# Altium PCB RTM_SFP.PcbDoc (part 4 of 5) (continued)
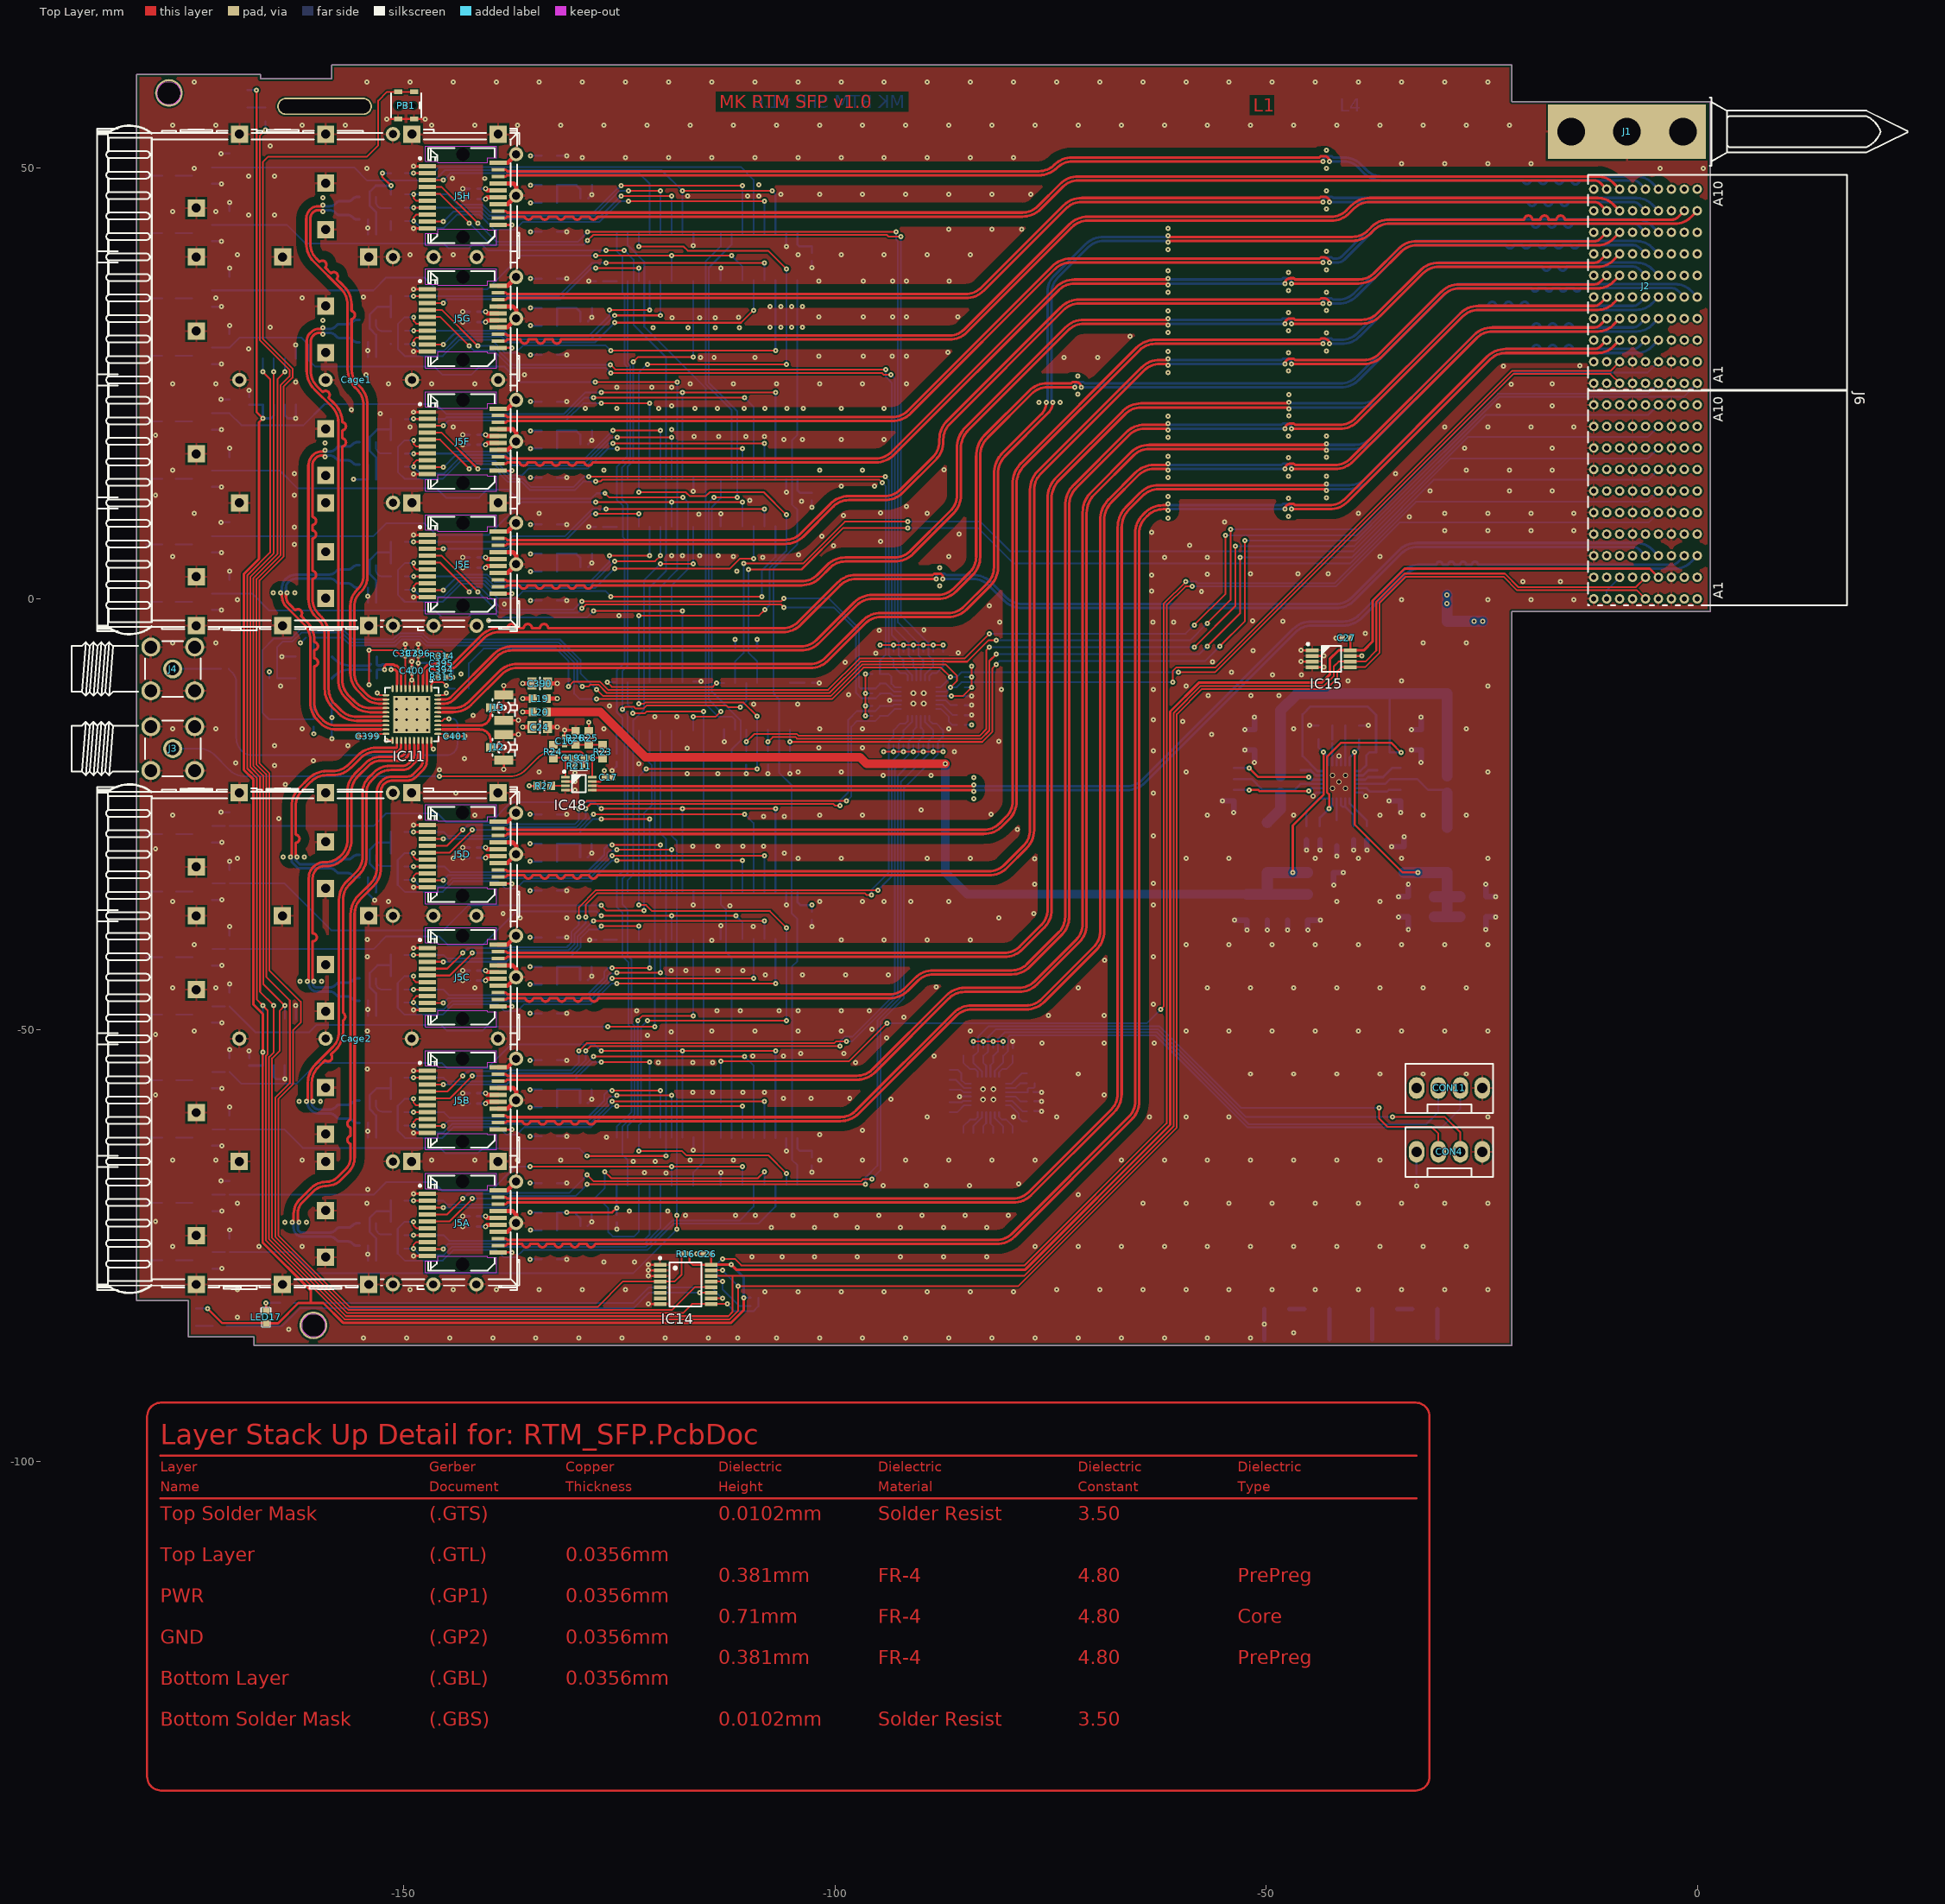
[diagram p0: Top Layer view]
## Nets (pads, with @x,y where several pads share a name; then routed paths per layer and width w, separated by ;. In a path a pad name is that pad's centre, name@x,y a point inside that pad or via, vN(x,y) a via of type N, cw(c..) or ccw(c..) an arc to the next point about the centre after c; other vN are vias at no path point) (continued)
  Bottom Layer w0.305: v1(-159.41,31.436) -159.262,31.289 -158.623,31.289 ccw(c-158.623,32.233) -157.955,31.565 -157.773,31.747 cw(c-157.501,31.475) -157.501,31.86 -156.486,31.86 ccw(c-156.486,32.526) -156.015,32.055 -155.908,32.162 ; -155.908,32.162 cw(c-155.43,31.684) -155.43,32.36 IC20G.4@-155.13,32.36
SFP_CLK2.CLOCK_P: IC11.14 IC20G.3 R105G.1 | length 55.5
  Top Layer w0.254: -152.631,-12.68 -152.611,-12.66 IC11.14@-152.08,-12.66
  Top Layer w0.305: v1(-159.41,30.684) -159.558,30.831 -159.849,30.831 ccw(c-159.849,29.939) -160.48,30.57 -160.52,30.53 ccw(c-159.793,29.805) -160.82,29.805 -160.82,26.439 ccw(c-158.28,26.439) -160.076,24.643 -159.642,24.208 -159.416,23.982 cw(c-159.084,23.65) -158.751,23.318 -158.087,22.653 -158.022,22.588 cw(c-160.119,20.491) -157.153,20.491 cw(c-157.193,20.021) -157.153,19.551 -157.153,18.611 cw(c-157.193,18.141) -157.153,17.671 -157.153,17.31 -157.153,-9.415 ccw(c-154.613,-9.415) -156.409,-11.211 -155.684,-11.936 ccw(c-153.888,-10.14) -153.888,-12.68 -152.631,-12.68
  Bottom Layer w0.305: v1(-159.41,30.684) -159.262,30.831 -158.618,30.831 cw(c-158.618,29.901) -157.96,30.559 -157.774,30.373 ccw(c-157.501,30.646) -157.501,30.26 -156.535,30.26 cw(c-156.535,29.475) -155.98,30.03 -155.901,29.951 ccw(c-155.44,30.412) -155.44,29.76 IC20G.3@-155.13,29.76
SFP_CLK3.CLOCK_N: IC11.17 IC20F.4 R105F.2 | length 42.9
  Top Layer w0.254: -152.631,-14.14 -152.611,-14.16 IC11.17@-152.08,-14.16
  Top Layer w0.305: v1(-159.14,17.236) -159.288,17.089 -159.57,17.089 ccw(c-159.57,15.742) -160.522,16.695 -160.607,16.61 ccw(c-159.47,15.474) -161.077,15.474 -161.077,0.002 ccw(c-158.097,0.002) -160.204,-2.106 -159.931,-2.379 cw(c-161.727,-4.175) -159.187,-4.175 -159.187,-10.448 ccw(c-156.207,-10.448) -158.314,-12.556 -157.598,-13.272 ccw(c-155.502,-11.176) -155.502,-14.14 -152.631,-14.14
  Bottom Layer w0.305: v1(-159.14,17.236) -158.992,17.089 -158.623,17.089 ccw(c-158.623,18.033) -157.955,17.365 ; -157.955,17.366 -157.773,17.547 cw(c-157.501,17.275) -157.501,17.66 -156.486,17.66 ccw(c-156.486,18.326) -156.015,17.855 -155.908,17.962 ; -155.908,17.962 cw(c-155.43,17.484) -155.43,18.16 IC20F.4@-155.13,18.16
SFP_CLK3.CLOCK_P: IC11.16 IC20F.3 R105F.1 | length 42.9
  Top Layer w0.254: -152.631,-13.68 -152.611,-13.66 IC11.16@-152.08,-13.66
  Top Layer w0.305: v1(-159.14,16.484) -159.288,16.631 -159.57,16.631 ccw(c-159.57,15.742) -160.199,16.371 -160.28,16.29 ccw(c-159.457,15.468) -160.62,15.468 -160.62,9.5 cw(c-160.66,9.03) -160.62,8.56 -160.62,7.94 cw(c-160.66,7.47) -160.62,7 -160.62,3.25 cw(c-160.66,2.78) -160.62,2.31 -160.62,0.009 ccw(c-158.08,0.009) -159.876,-1.787 -159.595,-2.069 cw(c-161.682,-4.156) -158.73,-4.156 -158.73,-10.441 ccw(c-156.19,-10.441) -157.986,-12.237 -157.287,-12.936 ccw(c-155.491,-11.14) -155.491,-13.68 -152.631,-13.68
  Bottom Layer w0.305: v1(-159.14,16.484) -158.992,16.631 -158.618,16.631 cw(c-158.618,15.701) -157.96,16.359 -157.774,16.173 ccw(c-157.501,16.446) -157.501,16.06 -156.535,16.06 cw(c-156.535,15.275) -155.98,15.83 -155.901,15.751 ccw(c-155.44,16.212) -155.44,15.56 IC20F.3@-155.13,15.56
SFP_CLK4.CLOCK_N: IC11.19 IC20E.4 R105E.2 | length 35.3
  Top Layer w0.254: -152.631,-15.14 -152.611,-15.16 IC11.19@-152.08,-15.16
  Top Layer w0.305: v1(-164.285,0.73) -164.137,0.582 -164.137,0.25 ccw(c-162.513,0.25) -163.661,-0.899 -161.601,-2.959 cw(c-163.397,-4.755) -160.857,-4.755 -160.857,-12.011 ccw(c-157.891,-12.011) -159.988,-14.108 -159.701,-14.396 ccw(c-157.904,-12.6) -158.024,-15.137 ; -158.024,-15.14 -152.631,-15.14
  Bottom Layer w0.305: v1(-164.285,0.73) -164.137,0.878 -164.137,1.36 cw(c-162.923,1.36) -163.782,2.218 -163.724,2.276 cw(c-162.39,0.942) -162.39,2.829 -158.623,2.829 ccw(c-158.623,3.773) -157.955,3.105 -157.773,3.287 cw(c-157.501,3.015) -157.501,3.4 R105E.2@-157,3.4 -156.486,3.4 ccw(c-156.486,4.066) -156.015,3.595 -155.908,3.702 cw(c-155.43,3.224) -155.43,3.9 IC20E.4@-155.13,3.9
SFP_CLK4.CLOCK_P: IC11.18 IC20E.3 R105E.1 | length 35.3
  Top Layer w0.254: -152.631,-14.68 -152.611,-14.66 IC11.18@-152.08,-14.66
  Top Layer w0.305: v1(-163.532,0.73) -163.68,0.582 -163.68,0.25 ccw(c-162.513,0.25) -163.338,-0.575 -163.087,-0.827 -162.602,-1.312 cw(c-162.297,-1.672) -161.937,-1.976 -161.273,-2.641 cw(c-163.379,-4.747) -160.4,-4.747 -160.4,-5.01 cw(c-160.44,-5.48) -160.4,-5.95 -160.4,-6.89 cw(c-160.44,-7.36) -160.4,-7.829 -160.4,-11.998 ccw(c-157.86,-11.998) -159.656,-13.794 -159.381,-14.069 ccw(c-157.906,-12.593) -157.906,-14.68 -152.631,-14.68
  Bottom Layer w0.305: v1(-163.532,0.73) -163.68,0.878 -163.68,1.29 cw(c-162.754,1.29) -163.409,1.944 ; -163.407,1.946 cw(c-162.378,0.914) -162.378,2.371 -158.618,2.371 cw(c-158.618,1.441) -157.96,2.099 -157.774,1.913 ccw(c-157.501,2.186) -157.501,1.8 R105E.1@-157,1.8 -156.535,1.8 cw(c-156.535,1.015) -155.98,1.57 -155.901,1.491 ccw(c-155.44,1.952) -155.44,1.3 IC20E.3@-155.13,1.3
SFP_CLK5.CLOCK_N: IC11.23 IC20D.4 R105D.2 | length 31.1
  Top Layer w0.254: -150.351,-16.962 -150.33,-16.941 IC11.23@-150.33,-16.41
  Top Layer w0.305: v1(-162.402,-29.92) -162.55,-29.772 -162.55,-29.23 -162.55,-28.29 ccw(c-162.59,-27.82) -162.55,-27.35 -162.55,-24.019 cw(c-160.01,-24.019) -161.806,-22.223 -160.764,-21.181 cw(c-158.968,-22.977) -158.968,-20.437 -158.238,-20.437 ccw(c-158.238,-17.441) -156.12,-19.56 -155.031,-18.471 cw(c-153.235,-20.267) -153.235,-17.727 -150.908,-17.727 ccw(c-150.908,-17.169) -150.35,-17.169 -150.35,-16.963 ; -150.351,-17.15 -150.351,-16.962
  Bottom Layer w0.305: v1(-162.402,-29.92) -162.55,-30.068 -162.55,-30.32 -162.099,-30.771 -158.623,-30.771 ccw(c-158.623,-29.827) -157.955,-30.495 ; -157.955,-30.494 -157.773,-30.313 cw(c-157.501,-30.585) -157.501,-30.2 -156.486,-30.2 ccw(c-156.486,-29.534) -156.015,-30.005 -155.908,-29.898 ; -155.908,-29.898 cw(c-155.43,-30.376) -155.43,-29.7 IC20D.4@-155.13,-29.7
SFP_CLK5.CLOCK_P: IC11.22 IC20D.3 R105D.1 | length 31.1
  Top Layer w0.254: -150.83,-17.18 IC11.22@-150.83,-16.41
  Top Layer w0.305: v1(-163.155,-29.92) -163.007,-29.772 -163.007,-23.984 cw(c-160.094,-23.984) -162.154,-21.925 -161.075,-20.846 cw(c-158.985,-22.937) -158.985,-19.98 -158.239,-19.98 ccw(c-158.239,-17.44) -156.443,-19.236 -155.345,-18.138 cw(c-153.249,-20.233) -153.249,-17.27 -150.92,-17.27 ccw(c-150.92,-17.18) -150.83,-17.18
  Bottom Layer w0.305: v1(-163.155,-29.92) -163.007,-30.068 -163.007,-30.509 -162.288,-31.229 -158.618,-31.229 cw(c-158.618,-32.159) -157.96,-31.501 -157.774,-31.687 ccw(c-157.501,-31.414) -157.501,-31.8 -156.535,-31.8 cw(c-156.535,-32.585) -155.98,-32.03 -155.901,-32.109 ccw(c-155.44,-31.648) -155.44,-32.3 IC20D.3@-155.13,-32.3
SFP_CLK6.CLOCK_N: IC11.25 IC20C.4 R105C.2 | length 42
  Top Layer w0.254: -149.351,-16.962 -149.33,-16.941 IC11.25@-149.33,-16.41
  Top Layer w0.305: v1(-160.432,-44.34) -160.58,-44.192 -160.58,-40.66 -160.58,-39.72 ccw(c-160.58,-39.25) -160.58,-38.78 -160.58,-38.7 -160.58,-32.381 cw(c-159.146,-32.381) -160.16,-31.367 ; -160.159,-31.366 cw(c-159.267,-32.26) -159.267,-30.997 -158.943,-30.997 ccw(c-158.943,-28.457) -157.147,-30.253 -156.957,-30.064 ccw(c-159.026,-27.994) -156.1,-27.994 -156.1,-22.402 cw(c-153.56,-22.402) -155.356,-20.606 -154.095,-19.345 cw(c-152.7,-20.74) -152.7,-18.767 -150.566,-18.767 ccw(c-150.566,-17.552) -149.351,-17.552 -149.351,-16.962
  Bottom Layer w0.305: v1(-160.432,-44.34) -160.58,-44.488 -160.58,-44.568 ccw(c-160.068,-44.568) -160.43,-44.93 ; -160.43,-44.93 ccw(c-160.089,-44.589) -160.089,-45.071 -158.623,-45.071 ccw(c-158.623,-44.127) -157.955,-44.795 -157.773,-44.613 cw(c-157.501,-44.885) -157.501,-44.5 -156.486,-44.5 ccw(c-156.486,-43.834) -156.015,-44.305 -155.908,-44.198 ; -155.908,-44.198 cw(c-155.43,-44.676) -155.43,-44 IC20C.4@-155.13,-44
SFP_CLK6.CLOCK_P: IC11.24 IC20C.3 R105C.1 | length 42.1
  Top Layer w0.254: IC11.24@-149.83,-16.41 -149.83,-16.941 -149.809,-16.962
  Top Layer w0.305: v1(-161.185,-44.34) -161.037,-44.192 -161.037,-32.379 cw(c-159.151,-32.379) -160.486,-31.046 ; -160.481,-31.042 cw(c-159.27,-32.253) -159.27,-30.54 -159.112,-30.54 ccw(c-159.112,-28.048) -157.351,-29.811 ; -157.301,-29.761 ccw(c-159.097,-27.965) -156.557,-27.965 -156.557,-22.364 cw(c-153.652,-22.364) -155.706,-20.31 -154.418,-19.022 cw(c-152.7,-20.74) -152.7,-18.31 -150.582,-18.31 ccw(c-150.582,-17.536) -149.809,-17.536 -149.809,-16.962
  Bottom Layer w0.305: v1(-161.185,-44.34) -161.037,-44.488 -161.037,-44.568 ccw(c-160.068,-44.568) -160.754,-45.253 ; -160.753,-45.254 ccw(c-160.089,-44.589) -160.089,-45.529 -158.618,-45.529 cw(c-158.618,-46.459) -157.96,-45.801 -157.774,-45.987 ccw(c-157.501,-45.714) -157.501,-46.1 -156.535,-46.1 cw(c-156.535,-46.885) -155.98,-46.33 -155.901,-46.409 ccw(c-155.44,-45.948) -155.44,-46.6 IC20C.3@-155.13,-46.6
SFP_CLK7.CLOCK_N: IC11.27 IC20B.4 R105B.2 | length 55.3
  Top Layer w0.254: -148.351,-16.962 -148.33,-16.941 IC11.27@-148.33,-16.41
  Top Layer w0.305: v1(-160.535,-58.29) -160.683,-58.142 -160.683,-56.1 cw(c-158.153,-56.1) -159.942,-54.311 -159.795,-54.165 -159.131,-53.5 ccw(c-158.799,-53.168) -158.466,-52.836 -158.26,-52.63 -157.931,-52.3 ccw(c-160.009,-50.222) -157.07,-50.222 -157.07,-49.85 -157.07,-48.91 ccw(c-157.378,-48.44) -157.07,-47.97 -157.07,-47.61 -157.07,-34.902 cw(c-154.53,-34.902) -156.326,-33.106 -155.186,-31.966 ccw(c-157.23,-29.923) -154.34,-29.923 -154.34,-22.5 cw(c-152.24,-22.5) -153.726,-21.016 -153.279,-20.569 cw(c-151.511,-22.339) -151.511,-19.837 -150.15,-19.837 ccw(c-150.15,-18.406) -149.138,-19.418 -148.699,-18.979 ccw(c-149.538,-18.14) -148.351,-18.14 -148.351,-16.962
  Bottom Layer w0.305: v1(-160.535,-58.29) -160.683,-58.438 -160.68,-58.44 -160.68,-58.59 ccw(c-160.359,-58.59) -160.586,-58.817 -160.451,-58.952 ccw(c-159.8,-58.3) -159.8,-59.221 -158.623,-59.221 ccw(c-158.623,-58.277) -157.955,-58.945 -157.773,-58.763 cw(c-157.501,-59.035) -157.501,-58.65 -156.486,-58.65 ccw(c-156.486,-57.984) -156.015,-58.455 -155.908,-58.348 cw(c-155.43,-58.826) -155.43,-58.15 IC20B.4@-155.13,-58.15
SFP_CLK7.CLOCK_P: IC11.26 IC20B.3 R105B.1 | length 55.3
  Top Layer w0.254: IC11.26@-148.83,-16.41 -148.83,-16.941 -148.809,-16.962
  Top Layer w0.305: v1(-161.288,-58.29) -161.14,-58.142 -161.14,-56.083 cw(c-158.195,-56.083) -160.277,-54 -158.271,-51.994 ccw(c-160.067,-50.198) -157.527,-50.198 -157.527,-34.88 cw(c-154.584,-34.88) -156.665,-32.799 -155.541,-31.675 ccw(c-157.337,-29.879) -154.797,-29.879 -154.797,-22.416 cw(c-152.442,-22.416) -154.107,-20.751 -153.481,-20.124 cw(c-151.684,-21.92) -151.684,-19.38 -150.155,-19.38 ccw(c-150.155,-18.394) -149.458,-19.091 -149.043,-18.677 ccw(c-149.61,-18.11) -148.809,-18.11 -148.809,-16.962
  Bottom Layer w0.305: v1(-161.288,-58.29) -161.14,-58.438 -161.14,-58.61 ; IC20B.3@-155.13,-60.75 -155.44,-60.75 cw(c-155.44,-60.098) -155.901,-60.559 -155.98,-60.48 ccw(c-156.535,-61.035) -156.535,-60.25 -157.501,-60.25 cw(c-157.501,-59.864) -157.774,-60.137 -157.96,-59.951 ccw(c-158.618,-60.609) -158.618,-59.679 -159.814,-59.679 cw(c-159.814,-58.334) -160.765,-59.285 -160.928,-59.121 cw(c-160.417,-58.61) -161.14,-58.612 ; -161.14,-58.612 cw(c-160.417,-58.61) -161.14,-58.61 ; -161.14,-58.612 -161.14,-58.61
SFP_CLK8.CLOCK_N: IC11.29 IC20A.4 R105A.2 | length 74
  Top Layer w0.254: -147.351,-16.962 -147.33,-16.941 IC11.29@-147.33,-16.41
  Top Layer w0.305: v1(-162.179,-72.3) -162.327,-72.152 -162.327,-71.301 cw(c-160.449,-71.301) -161.777,-69.974 ; -161.777,-69.973 -160.485,-68.681 cw(c-158.981,-70.185) -158.981,-68.059 ccw(c-158.981,-65.667) -157.29,-67.358 ; -157.411,-67.479 -156.464,-66.532 ; -157.29,-67.358 -156.462,-66.531 ccw(c-158.26,-64.736) -155.72,-64.736 -155.72,-36.542 cw(c-153.18,-36.542) -154.976,-34.746 -153.539,-33.309 ccw(c-155.613,-31.235) -152.68,-31.235 -152.68,-22.411 cw(c-151.327,-22.411) -152.284,-21.454 ; -152.283,-21.453 cw(c-151.327,-22.411) -151.327,-21.057 -149.582,-21.057 ccw(c-149.582,-19.655) -148.59,-20.647 -147.777,-19.833 ccw(c-148.803,-18.807) -147.351,-18.807 -147.351,-16.962
  Bottom Layer w0.305: v1(-162.179,-72.3) -162.327,-72.448 -162.327,-72.948 ccw(c-161.792,-72.948) -162.17,-73.326 ; -162.17,-73.327 ccw(c-161.818,-72.974) -161.818,-73.473 -158.623,-73.473 ccw(c-158.623,-72.528) -157.955,-73.196 ; -157.955,-73.196 -157.773,-73.014 cw(c-157.501,-73.286) -157.501,-72.901 -156.486,-72.901 ccw(c-156.486,-72.236) -156.015,-72.706 -155.908,-72.599 ; -155.908,-72.599 cw(c-155.43,-73.077) -155.43,-72.401 IC20A.4@-155.13,-72.401
SFP_CLK8.CLOCK_P: IC11.28 IC20A.3 R105A.1 | length 74
  Top Layer w0.254: IC11.28@-147.83,-16.41 -147.83,-16.941 -147.809,-16.962
  Top Layer w0.305: v1(-162.932,-72.3) -162.784,-72.152 -162.784,-71.283 cw(c-160.491,-71.283) -162.112,-69.662 -160.794,-68.344 cw(c-158.998,-70.14) -158.998,-67.6 ccw(c-158.998,-65.819) -157.738,-67.078 -156.727,-66.067 ccw(c-158.055,-64.739) -156.177,-64.739 -156.177,-63.2 cw(c-156.078,-62.73) -156.177,-62.26 -156.177,-61.32 cw(c-156.078,-60.851) -156.177,-60.381 -156.177,-59.441 -156.177,-59.28 -156.177,-36.531 cw(c-153.208,-36.531) -155.307,-34.431 -153.881,-33.005 ccw(c-155.677,-31.209) -153.137,-31.209 -153.137,-22.402 cw(c-151.348,-22.402) -152.614,-21.138 ; -152.597,-21.121 cw(c-151.34,-22.378) -151.34,-20.6 -149.593,-20.6 ccw(c-149.593,-19.627) -148.905,-20.315 -148.112,-19.522 ccw(c-148.843,-18.79) -147.809,-18.79 -147.809,-16.962
  Bottom Layer w0.305: v1(-162.932,-72.3) -162.784,-72.448 -162.784,-72.95 ccw(c-161.796,-72.95) -162.495,-73.648 ; -162.488,-73.656 ccw(c-161.826,-72.994) -161.826,-73.93 -158.618,-73.93 cw(c-158.618,-74.86) -157.96,-74.202 -157.774,-74.388 ccw(c-157.501,-74.116) -157.501,-74.501 -156.535,-74.501 cw(c-156.535,-75.287) -155.98,-74.731 -155.901,-74.81 ccw(c-155.44,-74.349) -155.44,-75.001 IC20A.3@-155.13,-75.001
SFP_DETECTN1: IC2.11 J5H.6 R403H.1 | length 49.1
  Top Layer w0.203: v1(-148.863,46.9) -148.863,46.448 -148.571,46.156 J5H.6@-147.275,46.156 ; v1(-124.81,47.9) v1(-110.72,47.9)
  Bottom Layer w0.203: R403H.1@-149.9,46.9 v1(-148.863,46.9) -144.9,46.9 -143.705,45.705 -140.875,45.705 -139.96,44.79 -128.033,44.79 -125.187,47.637 -125.073,47.637 v1(-124.81,47.9) ; IC2.11@-110.72,42.336 v1(-110.72,47.9)
SFP_DETECTN2: IC2.3 J5G.6 R403G.1 | length 61.5
  Top Layer w0.203: v1(-148.863,32.65) -148.863,32.198 -148.571,31.906 J5G.6@-147.275,31.906 ; v1(-125.99,28.77) v1(-106.91,28.77)
  Bottom Layer w0.203: v1(-148.863,32.65) R403G.1@-149.9,32.65 -150.7,31.85 -150.7,28.96 -149.893,28.153 -145.491,28.153 -143.61,30.033 -139.791,30.033 -138.31,28.553 -137.047,28.553 -136.216,29.384 -126.604,29.384 v1(-125.99,28.77) ; v1(-106.91,28.77) IC2.3@-106.91,36.936
SFP_DETECTN3: IC5.11 J5F.6 R403F.1 | length 54
  Top Layer w0.203: v1(-148.863,18.4) -148.863,17.948 -148.571,17.656 J5F.6@-147.275,17.656 ; v1(-125.25,17.43) v1(-110.72,17.43)
  Bottom Layer w0.203: v1(-148.863,18.4) R403F.1@-149.9,18.4 -150.7,17.6 -150.7,14.71 -149.893,13.903 -145.491,13.903 -143.404,15.99 -139.384,15.99 -137.697,14.303 -136.322,14.303 -135.491,15.134 -128.648,15.134 -126.352,17.43 v1(-125.25,17.43) ; IC5.11@-110.72,13.836 v1(-110.72,17.43)
SFP_DETECTN4: IC5.3 J5E.6 R403E.1 | length 60.8
  Top Layer w0.203: v1(-148.863,4.15) -148.863,3.698 -148.571,3.406 J5E.6@-147.275,3.406 ; v1(-125.99,0.27) v1@-108.49,0.27 ; v1@-108.5,0.27 v1(-108.49,0.26)
  Bottom Layer w0.203: v1(-148.863,4.15) R403E.1@-149.9,4.15 -150.7,3.35 -150.7,0.46 -149.893,-0.347 -145.491,-0.347 -143.394,1.75 -140.779,1.75 -139.081,0.053 -137.042,0.053 -136.21,0.884 -126.604,0.884 v1(-125.99,0.27) ; v1(-108.49,0.26) -108.49,3.29 -106.91,4.87 IC5.3@-106.91,8.436
SFP_DETECTN5: IC7.11 J5D.6 R403D.1 | length 53.5
  Top Layer w0.203: v1(-148.877,-29.48) -148.877,-29.932 -148.585,-30.224 J5D.6@-147.29,-30.224 ; v1(-125.33,-30.33) v1(-110.72,-30.33)
  Bottom Layer w0.203: v1(-148.877,-29.48) -149.914,-29.48 -150.714,-30.28 -150.714,-33.17 -149.907,-33.978 -145.505,-33.978 -144.274,-32.746 -139.064,-32.746 -138.232,-33.578 -136.972,-33.578 -136.14,-32.746 -128.316,-32.746 -125.9,-30.33 v1(-125.33,-30.33) ; IC7.11@-110.72,-34.044 v1(-110.72,-30.33)
SFP_DETECTN6: IC7.3 J5C.6 R403C.1 | length 58.7
  Top Layer w0.203: v1(-148.877,-43.73) -148.877,-44.182 -148.585,-44.474 J5C.6@-147.29,-44.474 ; v1(-125.33,-44.58) v1(-106.91,-44.58)
  Bottom Layer w0.203: v1(-148.877,-43.73) -149.914,-43.73 -150.714,-44.53 -150.714,-47.42 -149.907,-48.228 -145.505,-48.228 -144.274,-46.996 -139.124,-46.996 -138.292,-47.828 -136.862,-47.828 -136.03,-46.996 -128.316,-46.996 -125.9,-44.58 v1(-125.33,-44.58) ; v1(-106.91,-44.58) IC7.3@-106.91,-39.444
SFP_DETECTN7: IC9.11 J5B.6 R403B.1 | length 53.5
  Top Layer w0.203: v1(-148.877,-57.98) -148.877,-58.432 -148.585,-58.724 J5B.6@-147.29,-58.724 ; v1(-125.33,-58.83) v1(-110.72,-58.83)
  Bottom Layer w0.203: v1(-148.877,-57.98) -149.914,-57.98 -150.714,-58.78 -150.714,-61.67 -149.874,-62.51 -145.538,-62.51 -144.274,-61.246 -138.984,-61.246 -138.1,-62.13 -136.92,-62.13 -136.036,-61.246 -128.316,-61.246 -125.9,-58.83 v1(-125.33,-58.83) ; IC9.11@-110.72,-62.544 v1(-110.72,-58.83)
SFP_DETECTN8: IC9.3 J5A.6 R403A.1 | length 57.2
  Top Layer w0.203: v1(-148.877,-72.23) -148.877,-72.682 -148.585,-72.974 J5A.6@-147.29,-72.974
  Bottom Layer w0.203: v1(-148.877,-72.23) -149.914,-72.23 -150.714,-73.03 -150.714,-75.92 -149.907,-76.728 -145.505,-76.728 -144.274,-75.496 -139.264,-75.496 -138.432,-76.328 -136.992,-76.328 -136.16,-75.496 -121.798,-75.496 -118.752,-72.45 -108.89,-72.45 -106.91,-70.47 IC9.3@-106.91,-67.944
SFP_I2C_1.SCL: IC39.2 J5A.5 R317.1 | length 110.6
  Top Layer w0.203: J5A.5@-147.29,-72.174 -144.684,-72.174 v1(-142.06,-69.55) ; v1(-128.75,-67.89) v1(-96.47,-67.89)
  Bottom Layer w0.203: v1(-142.06,-69.55) -138.06,-69.55 -137.755,-69.245 -130.105,-69.245 v1(-128.75,-67.89) ; v1(-96.47,-67.89) -96.47,-67.1 -95.089,-65.719 -95.089,-48.87 -92.353,-46.134 -92.353,-21.183 -89.185,-18.015 -89.185,-16.521 -88.674,-16.01 R317.1@-88.615,-16.01 -88.615,-15.22 -89.569,-14.266 IC39.2@-89.569,-13.58
SFP_I2C_1.SDA: IC39.1 J5A.4 R316.1 | length 112
  Top Layer w0.203: J5A.4@-147.29,-71.374 -144.984,-71.374 v1(-143.16,-69.55) ; v1(-128.75,-66.79) -128.005,-67.535 -96.995,-67.535 -96.72,-67.26 v1(-95.74,-67.26)
  Bottom Layer w0.203: v1(-143.16,-69.55) -142.606,-68.996 -138.008,-68.996 -137.902,-68.89 -130.85,-68.89 v1(-128.75,-66.79) ; v1(-95.74,-67.26) -94.734,-66.254 -94.734,-49.017 -91.998,-46.281 -91.998,-21.938 -88.04,-17.98 -88.04,-16.521 -87.529,-16.01 R316.1@-87.47,-16.01 -87.47,-15.22 -88.235,-14.455 -88.71,-14.455 -89.069,-14.096 IC39.1@-89.069,-13.58
SFP_I2C_2.SCL: IC39.4 J5B.5 R319.1 | length 93.5
  Top Layer w0.203: J5B.5@-147.29,-57.924 -144.684,-57.924 v1(-142.06,-55.3) ; v1(-128.92,-52.43) -128.366,-51.876 v1(-99.426,-51.876)
  Bottom Layer w0.203: v1(-142.06,-55.3) -138.11,-55.3 -137.808,-54.999 -130.452,-54.999 -128.92,-53.468 v1(-128.92,-52.43) ; v1(-99.426,-51.876) -99.426,-51.308 -98.887,-50.769 -97.993,-50.769 -93.064,-45.839 -93.064,-19.674 -91.48,-18.09 -91.48,-16.521 -90.969,-16.01 R319.1@-90.91,-16.01 -90.91,-15.22 -90.569,-14.879 IC39.4@-90.569,-13.58
SFP_I2C_2.SDA: IC39.3 J5B.4 R318.1 | length 93.8
  Top Layer w0.203: J5B.4@-147.29,-57.124 -144.984,-57.124 v1(-143.16,-55.3) ; v1@-129.7,-52.427 -128.794,-51.521 -100.09,-51.521 -99.891,-51.322 v1(-98.658,-51.322)
  Bottom Layer w0.203: v1(-143.16,-55.3) -142.606,-54.746 -138.126,-54.746 -138.024,-54.644 -130.599,-54.644 -129.7,-53.745 v1(-129.7,-52.43) ; v1(-98.658,-51.322) -98.045,-51.322 -92.709,-45.987 -92.709,-20.469 -90.33,-18.09 -90.33,-16.521 -89.819,-16.01 R318.1@-89.76,-16.01 -89.76,-15.22 -90.069,-14.911 IC39.3@-90.069,-13.58
SFP_I2C_3.SCL: IC39.6 J5C.5 R321.1 | length 80.3
  Top Layer w0.203: J5C.5@-147.29,-43.674 -144.684,-43.674 v1(-142.06,-41.05) ; v1(-128.92,-36.88) -128.92,-35.47 -127.58,-34.13 -96.56,-34.13 -96.36,-34.33 v1(-95.793,-34.33)
  Bottom Layer w0.203: v1(-142.06,-41.05) -138.11,-41.05 -137.808,-40.749 -130.914,-40.749 -130.22,-40.055 -130.22,-38.895 -128.92,-37.595 v1(-128.92,-36.88) ; v1(-95.793,-34.33) -95.793,-33.76 -93.775,-31.742 -93.775,-16.521 -93.264,-16.01 R321.1@-93.205,-16.01 -93.205,-15.22 -92.44,-14.455 -91.84,-14.455 -91.569,-14.184 IC39.6@-91.569,-13.58
SFP_I2C_3.SDA: IC39.5 J5C.4 R320.1 | length 79.8
  Top Layer w0.203: J5C.4@-147.29,-42.874 -144.984,-42.874 v1(-143.16,-41.05) ; v1(-129.7,-36.88) -129.7,-35.747 -127.727,-33.775 v1@-95.024,-33.775
  Bottom Layer w0.203: v1(-143.16,-41.05) -142.606,-40.496 -138.126,-40.496 -138.024,-40.394 -131.114,-40.394 -130.575,-39.855 -130.575,-38.625 -129.7,-37.75 v1(-129.7,-36.88) ; v1(-95.024,-33.776) -93.42,-32.172 -93.42,-18.86 -92.63,-18.07 -92.63,-16.521 -92.119,-16.01 R320.1@-92.06,-16.01 -92.06,-15.22 -91.069,-14.229 IC39.5@-91.069,-13.58
SFP_I2C_4.SCL: IC39.8 J5D.5 R323.1 | length 68.1
  Top Layer w0.203: J5D.5@-147.29,-29.424 -144.684,-29.424 v1(-142.06,-26.8) ; v1(-128.92,-24.33) -128.366,-23.776 -100.194,-23.776 -99.994,-23.976 v1(-99.426,-23.976)
  Bottom Layer w0.203: v1(-142.06,-26.8) -138.11,-26.8 -137.808,-26.499 -130.057,-26.499 -128.92,-25.363 v1(-128.92,-24.33) ; v1(-99.426,-23.976) -99.426,-23.406 -98.476,-22.456 -98.476,-14.041 -97.43,-12.995 -95.306,-12.995 -94.795,-12.484 R323.1@-94.795,-12.425 -93.355,-12.425 -93.21,-12.28 IC39.8@-92.369,-12.28
SFP_I2C_4.SDA: IC39.7 J5D.4 R322.1 | length 67
  Top Layer w0.203: J5D.4@-147.29,-28.624 -144.984,-28.624 v1(-143.16,-26.8) ; v1@-129.7,-24.327 -128.794,-23.421 v1(-98.658,-23.422)
  Bottom Layer w0.203: v1(-143.16,-26.8) -142.606,-26.246 -138.126,-26.246 -138.024,-26.144 -130.204,-26.144 -129.7,-25.64 v1(-129.7,-24.33) ; v1(-98.658,-23.422) -98.12,-22.885 -98.12,-14.83 -97.43,-14.14 -95.306,-14.14 -94.795,-13.629 R322.1@-94.795,-13.57 -93.89,-13.57 -93.1,-12.78 IC39.7@-92.369,-12.78
SFP_I2C_5.SCL: IC39.11 J5E.5 R330.1 | length 67.1
  Top Layer w0.203: J5E.5@-147.275,4.206 -145.796,4.206 v1(-142.41,0.82) ; v1@-129.316,-0.294 -106.264,-0.294 v1(-105.93,0.04)
  Bottom Layer w0.203: v1(-142.41,0.82) -141.85,1.38 -141.207,1.38 -138.567,-1.26 -130.326,-1.26 v1(-129.36,-0.294) ; v1(-105.93,0.04) -100.69,0.04 -97.22,-3.43 -97.22,-10.19 -97.026,-10.384 -95.29,-10.384 -94.795,-9.889 R330.1@-94.795,-9.83 -94.1,-9.83 -93.15,-10.78 IC39.11@-92.369,-10.78
SFP_I2C_5.SDA: IC39.10 J5E.4 R329.1 | length 67.3
  Top Layer w0.203: J5E.4@-147.275,5.006 -145.616,5.006 v1(-141.43,0.82) ; v1(-129.36,-1.12) -128.889,-0.649 -106.261,-0.649 v1(-105.93,-0.98)
  Bottom Layer w0.203: v1(-141.43,0.82) -138.995,-1.615 -129.855,-1.615 v1(-129.36,-1.12) ; v1(-105.93,-0.98) -100.173,-0.98 ; -100.103,-1.05 -100.173,-0.98 ; IC39.10@-92.369,-11.28 -93.22,-11.28 -93.52,-10.98 R329.1@-94.795,-10.98 -94.795,-11.039 -95.29,-11.534 -96.946,-11.534 -97.575,-10.905 -97.575,-3.577 -100.173,-0.98
SFP_I2C_6.SCL: IC39.13 J5F.5 R332.1 | length 81.5
  Top Layer w0.203: J5F.5@-147.275,18.456 -145.796,18.456 v1(-142.41,15.07) ; v1(-128.55,14.17) v1(-94.18,14.17)
  Bottom Layer w0.203: v1(-142.41,15.07) -141.845,15.635 -139.531,15.635 -137.844,13.947 -136.22,13.947 -135.228,12.955 -130.356,12.955 -129.141,14.17 v1(-128.55,14.17) ; v1(-94.18,14.17) -93.775,13.765 -93.775,-6.544 -93.264,-7.055 R332.1@-93.205,-7.055 -93.205,-7.845 -92.44,-8.61 -91.84,-8.61 -91.569,-8.881 IC39.13@-91.569,-9.48
SFP_I2C_6.SDA: IC39.12 J5F.4 R331.1 | length 82.3
  Top Layer w0.203: J5F.4@-147.275,19.256 -145.616,19.256 v1(-141.43,15.07) ; v1(-127.74,13.61) -127.215,13.61 -127.01,13.815 -94.865,13.815 v1(-94.51,13.46)
  Bottom Layer w0.203: v1(-141.43,15.07) -139.469,15.07 -137.991,13.592 -136.367,13.592 -135.375,12.6 -130.209,12.6 -129.199,13.61 v1@-127.76,13.61 ; v1(-94.51,13.46) -94.13,13.08 -94.13,-6.49 -94.795,-7.155 R331.1@-94.795,-8.685 -93.805,-8.685 -93.46,-9.03 -93.46,-9.84 -93.02,-10.28 IC39.12@-92.369,-10.28
SFP_I2C_7.SCL: IC39.15 J5G.5 R334.1 | length 93.3
  Top Layer w0.203: J5G.5@-147.275,32.706 -145.796,32.706 v1(-142.41,29.32) ; v1(-126.03,26.19) -94.553,26.19 -94.329,25.966 v1(-93.514,25.966)
  Bottom Layer w0.203: v1(-142.41,29.32) -141.856,28.766 -139.556,28.766 -137.583,26.793 -126.633,26.793 v1(-126.03,26.19) ; v1(-93.514,25.966) -93.064,25.516 -93.064,-3.506 -91.48,-5.09 -91.48,-6.544 -90.969,-7.055 R334.1@-90.91,-7.055 -90.91,-7.845 -90.569,-8.186 IC39.15@-90.569,-9.48
SFP_I2C_7.SDA: IC39.14 J5G.4 R333.1 | length 93.3
  Top Layer w0.203: J5G.4@-147.275,33.506 -145.616,33.506 v1(-141.43,29.32) ; v1(-126.039,27.149) -125.49,26.6 v1(-94.1,26.6)
  Bottom Layer w0.203: v1(-141.43,29.32) -139.58,29.32 -137.409,27.149 v1(-126.039,27.149) ; v1@-94.1,26.52 -94.1,25.76 -93.419,25.079 -93.419,-4.161 -92.63,-4.95 -92.63,-6.544 -92.119,-7.055 R333.1@-92.06,-7.055 -92.06,-7.845 -91.069,-8.836 IC39.14@-91.069,-9.48
SFP_I2C_8.SCL: IC39.17 J5H.5 R336.1 | length 111.4
  Top Layer w0.203: J5H.5@-147.275,46.956 -145.796,46.956 v1(-142.41,43.57) ; v1(-128.69,41.56) -128.045,42.205 -93.98,42.205 -93.781,42.006 v1(-92.353,42.006)
  Bottom Layer w0.203: v1(-142.41,43.57) -139.883,41.043 -129.207,41.043 v1(-128.69,41.56) ; v1(-92.353,42.006) -92.353,-1.937 -89.185,-5.105 -89.185,-6.544 -88.674,-7.055 R336.1@-88.615,-7.055 -88.615,-7.845 -89.569,-8.799 IC39.17@-89.569,-9.48
SFP_I2C_8.SDA: IC39.16 J5H.4 R335.1 | length 111
  Top Layer w0.203: J5H.4@-147.275,47.756 -145.616,47.756 v1(-141.43,43.57) ; v1(-128.69,42.56) v1(-92.908,42.56)
  Bottom Layer w0.203: v1(-141.43,43.57) -139.259,41.399 -129.851,41.399 v1(-128.69,42.56) ; v1(-92.908,42.56) -92.908,41.648 -92.708,41.448 -92.708,-2.732 -90.33,-5.11 -90.33,-6.544 -89.819,-7.055 R335.1@-89.76,-7.055 -89.76,-7.845 -90.069,-8.154 IC39.16@-90.069,-9.48
SFP_LED1_1: IC2.14 IC3.7 R10H.2 T2H.1 | length 76.9
  Top Layer w0.203: v1(-117.695,47.29) v1(-107.28,47.29)
  Bottom Layer w0.203: T2H.1@-172.25,50.025 R10H.2@-170.22,50.025 -155.79,50.025 -154.265,48.5 -146.481,48.5 -145.266,49.715 -120.12,49.715 v1(-117.695,47.29) ; IC3.7@-117.695,42.43 v1@-117.695,47.09 ; v1(-107.28,47.29) -106.91,46.92 IC2.14@-106.91,42.336
SFP_LED1_2: IC2.6 IC3.11 R10G.2 T2G.1 | length 69.4
  Top Layer w0.203: v1(-127.74,39.79) v1(-118.965,39.79) v1(-111.99,39.79)
  Bottom Layer w0.203: T2G.1@-172.25,35.775 R10G.2@-170.22,35.775 -153.535,35.775 -152.06,37.25 -147.61,37.25 -146.28,35.92 -140.31,35.92 -136.44,39.79 v1(-127.74,39.79) ; IC3.11@-118.965,36.842 v1(-118.965,39.79) ; v1(-111.99,39.79) -110.72,38.52 IC2.6@-110.72,36.936
SFP_LED1_3: IC4.7 IC5.14 R10F.2 T2F.1 | length 88.6
  Top Layer w0.203: v1(-127.12,23.95) v1(-117.695,23.95) v1(-106.91,23.95)
  Bottom Layer w0.203: T2F.1@-172.25,21.525 R10F.2@-170.22,21.525 ; R10F.2@-170.22,21.525 -168.845,20.15 -161.63,20.15 -159.2,22.58 -146.24,22.58 -145.07,21.41 -131.47,21.41 -128.93,23.95 v1(-127.12,23.95) ; IC4.7@-117.695,13.93 v1(-117.695,23.95) ; IC5.14@-106.91,13.836 v1(-106.91,23.95)
SFP_LED1_4: IC4.11 IC5.6 R10E.2 T2E.1 | length 69.9
  Top Layer w0.203: v1(-127.74,11.236) v1(-118.965,11.236) ; v1@-118.911,11.236 v1(-110.72,11.236)
  Bottom Layer w0.203: T2E.1@-172.25,7.275 R10E.2@-170.22,7.275 -153.535,7.275 -152.06,8.75 -147.61,8.75 -146.28,7.42 -140.13,7.42 -136.314,11.236 v1(-127.74,11.236) ; IC4.11@-118.965,8.342 v1(-118.965,11.236) ; IC5.6@-110.72,8.436 v1(-110.72,11.236)